# Altium PCB Graviton-EC2-Simplified.PcbDoc (part 8 of 9)
Units mm, origin at the board's own origin, x right, y up, seen from the top; angles counter-clockwise.
Board outline 200 x 200 mm, 10 copper layers (Top Layer, Internal Plane 1, Signal Layer 1, Internal Plane 2, Signal Layer 2, Signal Layer 3, Internal Plane 3, Signal Layer 4, Internal Plane 4, Bottom Layer), stack 1.674 mm thick; 774 components, 1540 nets, 6310 pads, 1698 vias.
Unrouted connection lines stored in the file: 74.
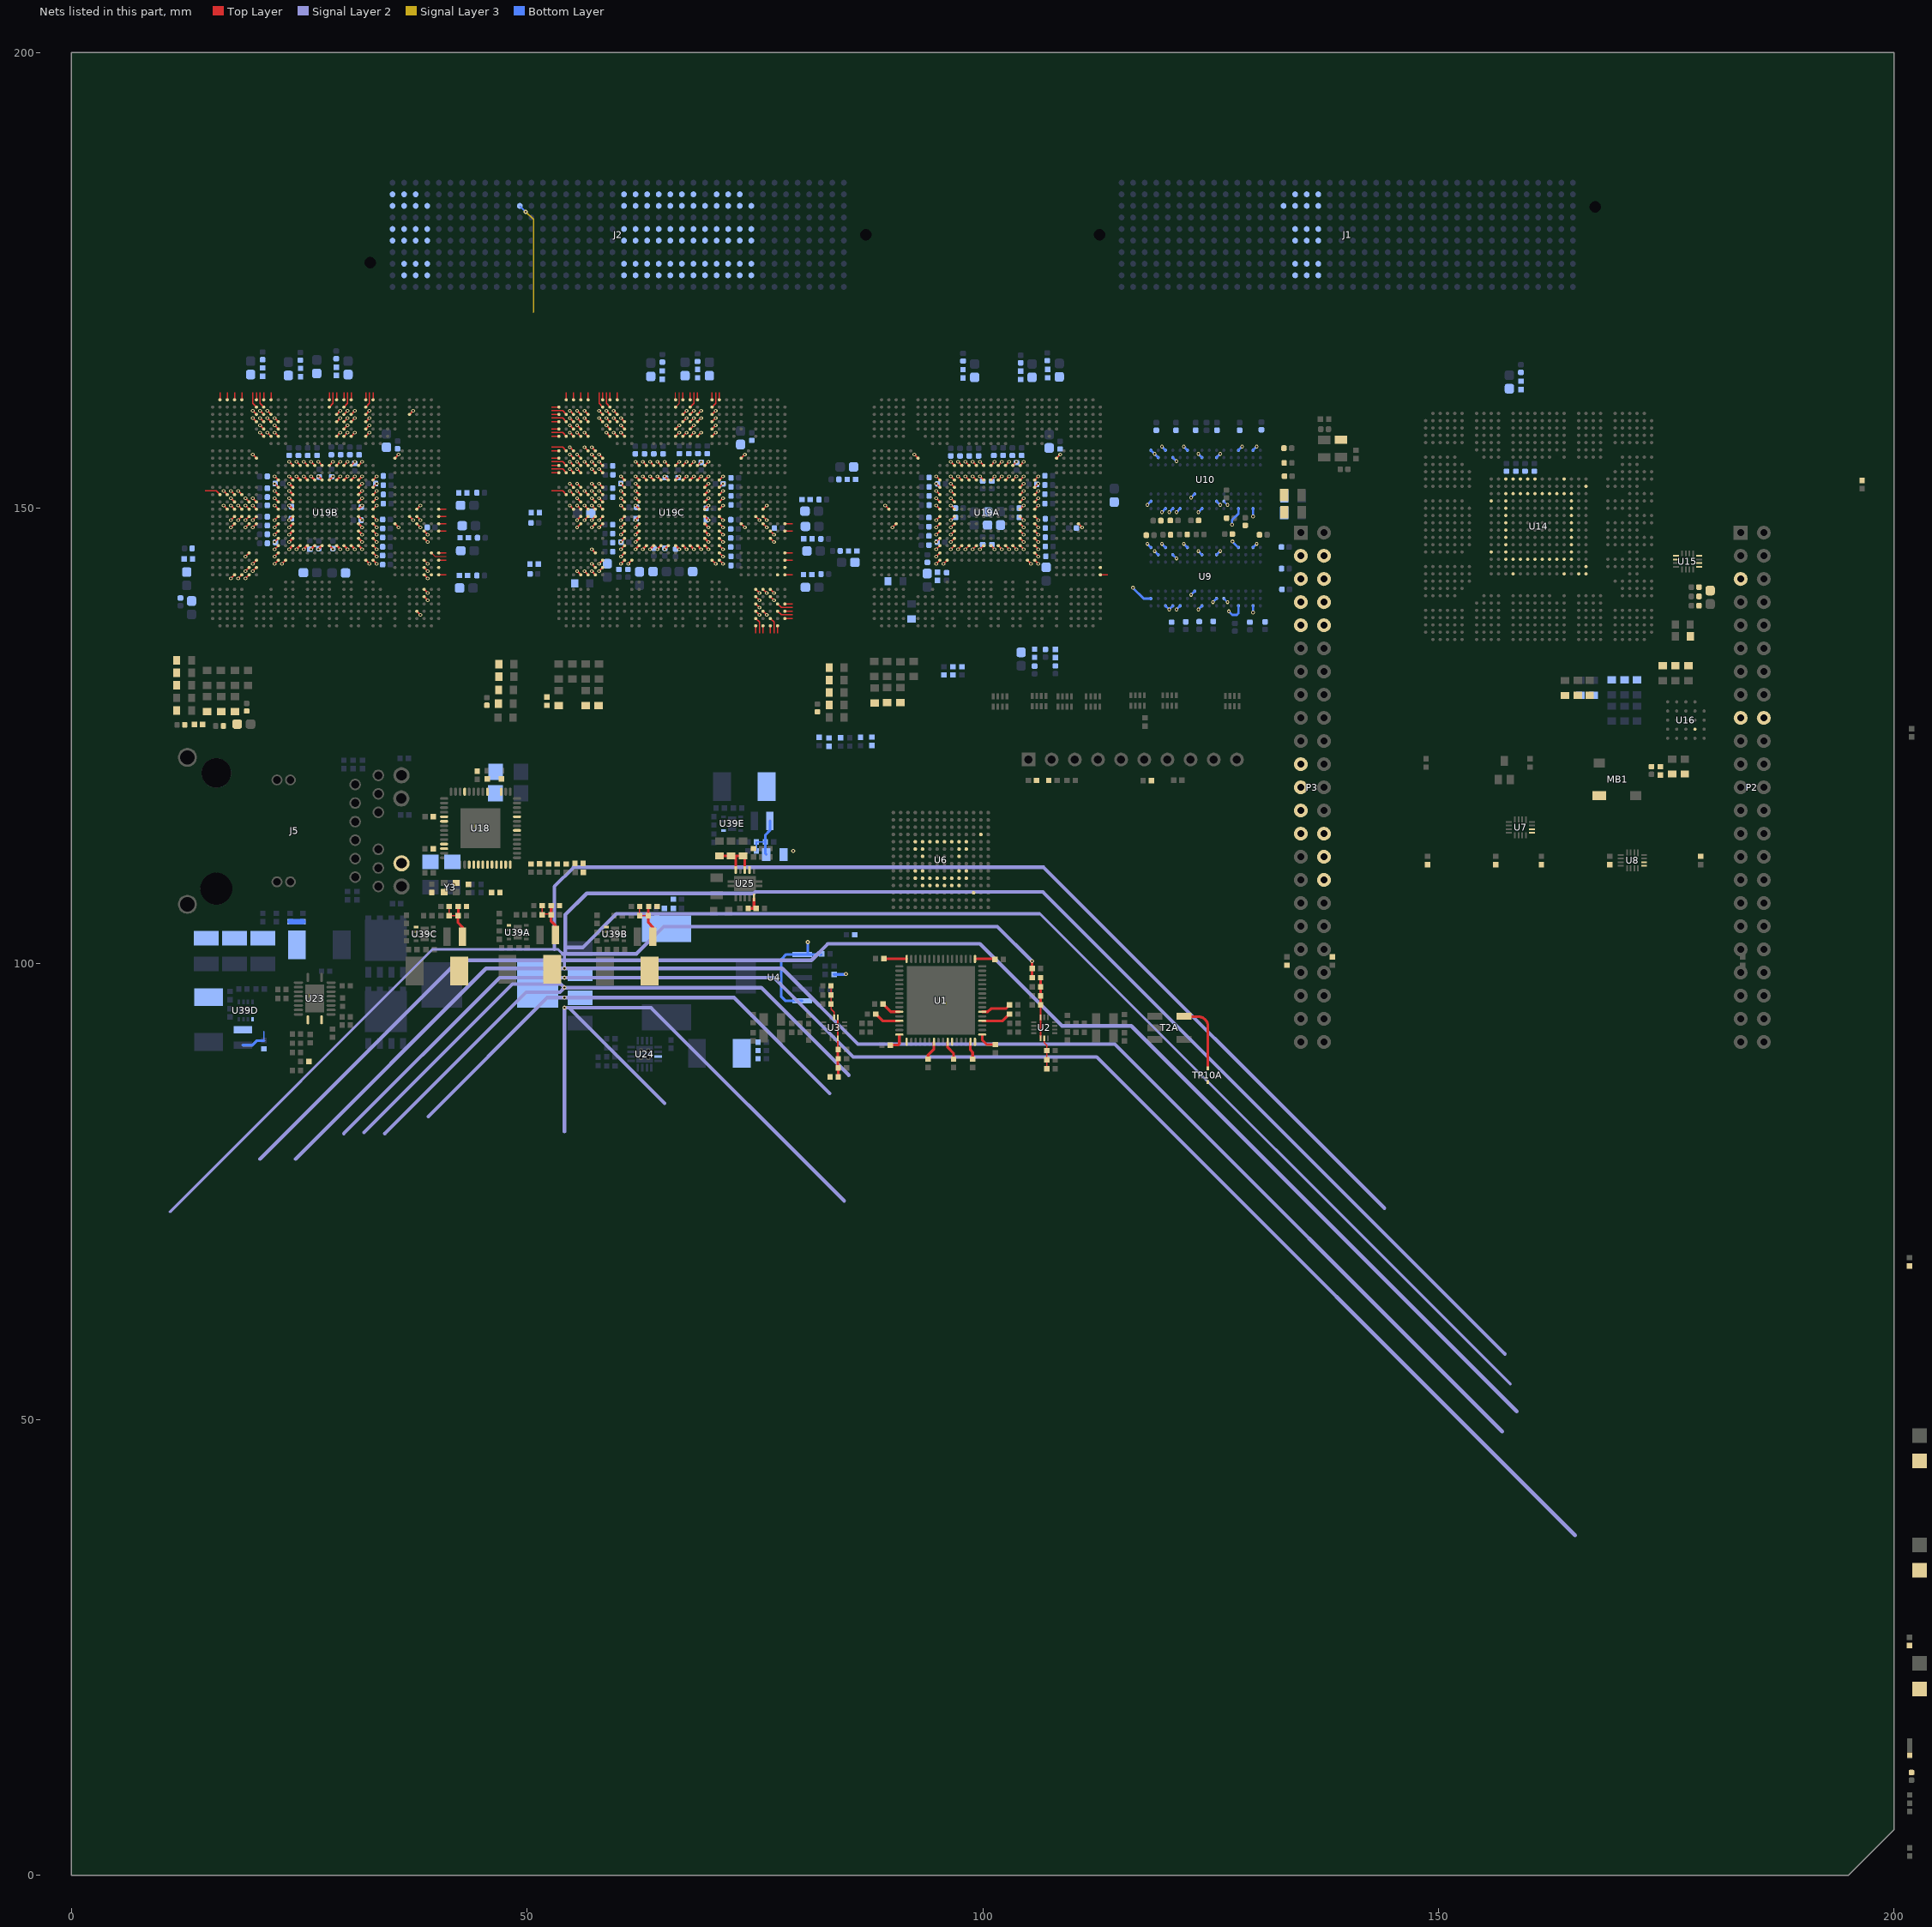
[diagram p16: the nets of this part, all layers, seen from the top]

## Via types
v1: diameter 0.406, hole 0.203, Top Layer to Bottom Layer, 1443 vias
v2: diameter 0.406, hole 0.203, Top Layer to Bottom Layer, tented top, 173 vias
v3: diameter 0.66, hole 0.305, Top Layer to Bottom Layer, tented top, 36 vias
v4: diameter 0.457, hole 0.203, Top Layer to Bottom Layer, 29 vias
v5: diameter 0.6, hole 0.3, Top Layer to Bottom Layer, 10 vias
v6: diameter 0.457, hole 0.203, Top Layer to Bottom Layer, tented bottom, 5 vias
v7: diameter 0.406, hole 0.203, Top Layer to Bottom Layer, tented both sides, 2 vias

## Nets (pads, with @x,y where several pads share a name; then routed paths per layer and width w, separated by ;. In a path a pad name is that pad's centre, name@x,y a point inside that pad or via, vN(x,y) a via of type N, cw(c..) or ccw(c..) an arc to the next point about the centre after c; other vN are vias at no path point) (continued)
P2A.DDRCC.S46: J2.118 U19B.C28 | length 12.9
  Top Layer w0.127: U19B.C28@37.1,160.3 v1(37.5,160.7)
  Signal Layer 3 w0.14: v4(49.84,182.54) 50.7,181.68 50.7,171.469
  Bottom Layer w0.12: J2.118@49.205,183.175 v4(49.84,182.54)
P2A.SDRCC.S2: J2.5 U19B.A18 | length 0.8
  Top Layer w0.12: U19B.A18@29.1,161.9 29.1,162.715
P2A.SDRCC.S3: J2.6 U19B.C18 | length 0.6
  Top Layer w0.127: U19B.C18@29.1,160.3 v1(29.5,160.7)
P2A.SDRCC.S4: J2.8 U19B.D18 | length 0.6
  Top Layer w0.127: U19B.D18@29.1,159.5 v1(29.5,159.9)
P2A.SDRCC.S5: J2.9 U19B.F18 | length 0.6
  Top Layer w0.127: U19B.F18@29.1,157.9 v1(29.5,158.3)
P2A.SDRCC.S6: J2.12 U19B.A19 | length 0.8
  Top Layer w0.12: U19B.A19@29.9,161.9 29.9,162.715
P2A.SDRCC.S7: J2.13 U19B.B19 | length 1.8
  Top Layer w0.12: U19B.B19@29.9,161.1 30.3,161.5 30.3,162.715
P2A.SDRCC.S8: J2.15 U19B.C19 | length 0.6
  Top Layer w0.127: U19B.C19@29.9,160.3 v1(30.3,160.7)
P2A.SDRCC.S9: J2.16 U19B.D19 | length 0.6
  Top Layer w0.127: U19B.D19@29.9,159.5 v1(30.3,159.9)
P2A.SDRCC.S10: J2.18 U19B.E19 | length 0.6
  Top Layer w0.127: U19B.E19@29.9,158.7 v1(30.3,159.1)
P2A.SDRCC.S11: J2.19 U19B.F19 | length 0.6
  Top Layer w0.127: U19B.F19@29.9,157.9 v1(30.3,158.3)
P2A.SDRCC.S12: J2.22 U19B.A20 | length 0.8
  Top Layer w0.12: U19B.A20@30.7,161.9 30.7,162.715
P2A.SDRCC.S13: J2.23 U19B.C20 | length 0.6
  Top Layer w0.127: U19B.C20@30.7,160.3 v1(31.1,160.7)
P2A.SDRCC.S14: J2.25 U19B.D20 | length 0.6
  Top Layer w0.127: U19B.D20@30.7,159.5 v1(31.1,159.9)
P2A.SDRCC.S15: J2.26 U19B.F20 | length 0.6
  Top Layer w0.127: U19B.F20@30.7,157.9 v1(31.1,158.3)
P2A.SDRCC.S16: J2.28 U19B.A22 | length 0.8
  Top Layer w0.12: U19B.A22@32.3,161.9 32.3,162.715
P2A.SDRCC.S17: J2.29 U19B.B22 | length 1.8
  Top Layer w0.12: U19B.B22@32.3,161.1 32.7,161.5 32.7,162.715
P2A.SDRCC.S18: J2.32 U19B.C22 | length 0.6
  Top Layer w0.127: U19B.C22@32.3,160.3 v1(32.7,160.7)
P2A.SDRCC.S19: J2.33 U19B.D22 | length 0.6
  Top Layer w0.127: U19B.D22@32.3,159.5 v1(32.7,159.9)
P2A.SDRCC.S20: J2.35 U19B.E22 | length 0.6
  Top Layer w0.127: U19B.E22@32.3,158.7 v1(32.7,159.1)
P2A.SDRCC.S21: J2.36 U19B.F22 | length 0.6
  Top Layer w0.127: U19B.F22@32.3,157.9 v1(32.7,158.3)
P2A.SDRCC.S22: J2.38 U19B.A23 | length 0.8
  Top Layer w0.12: U19B.A23@33.1,161.9 33.1,162.715
P2B-DDRCCCLK_N: J2.203 U19C.P7 | length 0.6
  Top Layer w0.076: v1(57.9,151.9) U19C.P7@58.3,151.5
P2B-DDRCCCLK_P: J2.202 U19C.P6 | length 0.6
  Top Layer w0.076: v1(57.1,151.9) U19C.P6@57.5,151.5
P2B-SDRCCCLK_N: J2.283 U19C.B17 | length 1.8
  Top Layer w0.076: U19C.B17@66.3,161.1 66.7,161.5 66.7,162.715
P2B-SDRCCCLK_P: J2.282 U19C.A17 | length 0.8
  Top Layer w0.076: U19C.A17@66.3,161.9 66.3,162.715
P2B.DDRCC.S2: J2.205 U19C.C4 | length 0.6
  Top Layer w0.127: v1(55.5,160.7) U19C.C4@55.9,160.3
P2B.DDRCC.S3: J2.206 U19C.C3 | length 0.6
  Top Layer w0.127: v1(54.7,160.7) U19C.C3@55.1,160.3
P2B.DDRCC.S4: J2.208 U19C.D4 | length 0.6
  Top Layer w0.127: v1(55.5,159.9) U19C.D4@55.9,159.5
P2B.DDRCC.S5: J2.209 U19C.E4 | length 0.6
  Top Layer w0.127: v1(55.5,159.1) U19C.E4@55.9,158.7
P2B.DDRCC.S6: J2.212 U19C.F4 | length 0.6
  Top Layer w0.127: v1(55.5,158.3) U19C.F4@55.9,157.9
P2B.DDRCC.S7: J2.213 U19C.F5 | length 0.6
  Top Layer w0.127: v1(56.3,158.3) U19C.F5@56.7,157.9
P2B.DDRCC.S8: J2.215 U19C.B1 | length 0.8
  Top Layer w0.12: 52.685,161.1 U19C.B1@53.5,161.1
P2B.DDRCC.S9: J2.216 U19C.C2 | length 1.8
  Top Layer w0.12: 52.685,160.7 53.9,160.7 U19C.C2@54.3,160.3
P2B.DDRCC.S10: J2.218 U19C.D3 | length 0.6
  Top Layer w0.127: v1(54.7,159.9) U19C.D3@55.1,159.5
P2B.DDRCC.S11: J2.219 U19C.D2 | length 1.8
  Top Layer w0.12: 52.685,159.9 53.9,159.9 U19C.D2@54.3,159.5
P2B.DDRCC.S12: J2.222 U19C.F3 | length 0.6
  Top Layer w0.127: v1(54.7,158.3) U19C.F3@55.1,157.9
P2B.DDRCC.S13: J2.223 U19C.E3 | length 0.6
  Top Layer w0.127: v1(54.7,159.1) U19C.E3@55.1,158.7
P2B.DDRCC.S14: J2.225 U19C.C1 | length 0.8
  Top Layer w0.12: 52.685,160.3 U19C.C1@53.5,160.3
P2B.DDRCC.S15: J2.226 U19C.D1 | length 0.8
  Top Layer w0.12: 52.685,159.5 U19C.D1@53.5,159.5
P2B.DDRCC.S16: J2.228 U19C.F2 | length 1.8
  Top Layer w0.12: 52.685,158.3 53.9,158.3 U19C.F2@54.3,157.9
P2B.DDRCC.S17: J2.229 U19C.E1 | length 0.8
  Top Layer w0.12: 52.685,158.7 U19C.E1@53.5,158.7
P2B.DDRCC.S18: J2.232 U19C.F1 | length 0.8
  Top Layer w0.12: 52.685,157.9 U19C.F1@53.5,157.9
P2B.DDRCC.S19: J2.233 U19C.H1 | length 0.8
  Top Layer w0.12: 52.685,156.3 U19C.H1@53.5,156.3
P2B.DDRCC.S20: J2.235 U19C.H2 | length 1.8
  Top Layer w0.12: 52.685,156.7 53.9,156.7 U19C.H2@54.3,156.3
P2B.DDRCC.S21: J2.236 U19C.H3 | length 0.6
  Top Layer w0.127: v1(54.7,156.7) U19C.H3@55.1,156.3
P2B.DDRCC.S22: J2.238 U19C.J3 | length 0.6
  Top Layer w0.127: v1(54.7,155.9) U19C.J3@55.1,155.5
P2B.DDRCC.S23: J2.239 U19C.K3 | length 0.6
  Top Layer w0.127: v1(54.7,155.1) U19C.K3@55.1,154.7
P2B.DDRCC.S24: J2.242 U19C.K2 | length 1.8
  Top Layer w0.12: 52.685,155.1 53.9,155.1 U19C.K2@54.3,154.7
P2B.DDRCC.S25: J2.243 U19C.J1 | length 0.8
  Top Layer w0.12: 52.685,155.5 U19C.J1@53.5,155.5
P2B.DDRCC.S26: J2.245 U19C.K1 | length 0.8
  Top Layer w0.12: 52.685,154.7 U19C.K1@53.5,154.7
P2B.DDRCC.S27: J2.246 U19C.L1 | length 0.8
  Top Layer w0.12: 52.685,153.9 U19C.L1@53.5,153.9
P2B.DDRCC.S28: J2.248 U19C.L2 | length 1.8
  Top Layer w0.12: 52.685,154.3 53.9,154.3 U19C.L2@54.3,153.9
P2B.DDRCC.S29: J2.249 U19C.L3 | length 0.6
  Top Layer w0.127: v1(54.7,154.3) U19C.L3@55.1,153.9
P2B.DDRCC.S30: J2.252 U19C.J4 | length 0.6
  Top Layer w0.127: v1(55.5,155.9) U19C.J4@55.9,155.5
P2B.DDRCC.S31: J2.253 U19C.K4 | length 0.6
  Top Layer w0.127: v1(55.5,155.1) U19C.K4@55.9,154.7
P2B.DDRCC.S32: J2.255 U19C.H6 | length 0.6
  Top Layer w0.127: v1(57.1,156.7) U19C.H6@57.5,156.3
P2B.DDRCC.S33: J2.256 U19C.H5 | length 0.6
  Top Layer w0.127: v1(56.3,156.7) U19C.H5@56.7,156.3
P2B.DDRCC.S34: J2.258 U19C.J6 | length 0.6
  Top Layer w0.127: v1(57.1,155.9) U19C.J6@57.5,155.5
P2B.DDRCC.S35: J2.259 U19C.K6 | length 0.6
  Top Layer w0.127: v1(57.1,155.1) U19C.K6@57.5,154.7
P2B.DDRCC.S36: J2.262 U19C.K7 | length 0.6
  Top Layer w0.127: v1(57.9,155.1) U19C.K7@58.3,154.7
P2B.DDRCC.S37: J2.263 U19C.K5 | length 0.6
  Top Layer w0.127: v1(56.3,155.1) U19C.K5@56.7,154.7
P2B.DDRCC.S38: J2.265 U19C.L4 | length 0.6
  Top Layer w0.127: v1(55.5,154.3) U19C.L4@55.9,153.9
P2B.DDRCC.S39: J2.266 U19C.N3 | length 0.6
  Top Layer w0.127: v1(54.7,152.7) U19C.N3@55.1,152.3
P2B.DDRCC.S40: J2.268 U19C.N4 | length 0.6
  Top Layer w0.127: v1(55.5,152.7) U19C.N4@55.9,152.3
P2B.DDRCC.S41: J2.269 U19C.L7 | length 0.6
  Top Layer w0.127: v1(57.9,154.3) U19C.L7@58.3,153.9
P2B.DDRCC.S42: J2.272 U19C.L6 | length 0.6
  Top Layer w0.127: v1(57.1,154.3) U19C.L6@57.5,153.9
P2B.DDRCC.S43: J2.273 U19C.N6 | length 0.6
  Top Layer w0.127: v1(57.1,152.7) U19C.N6@57.5,152.3
P2B.DDRCC.S44: J2.275 U19C.N7 | length 0.6
  Top Layer w0.127: v1(57.9,152.7) U19C.N7@58.3,152.3
P2B.DDRCC.S45: J2.276 U19C.C5 | length 0.6
  Top Layer w0.127: v1(56.3,160.7) U19C.C5@56.7,160.3
P2B.DDRCC.S46: J2.278 U19C.D5 | length 0.6
  Top Layer w0.127: v1(56.3,159.9) U19C.D5@56.7,159.5
P2B.SDRCC.S2: J2.285 U19C.A2 | length 0.8
  Top Layer w0.12: U19C.A2@54.3,161.9 54.3,162.715
P2B.SDRCC.S3: J2.286 U19C.A3 | length 0.8
  Top Layer w0.12: U19C.A3@55.1,161.9 55.1,162.715
P2B.SDRCC.S4: J2.288 U19C.A4 | length 0.8
  Top Layer w0.12: U19C.A4@55.9,161.9 55.9,162.715
P2B.SDRCC.S5: J2.289 U19C.A5 | length 0.8
  Top Layer w0.12: U19C.A5@56.7,161.9 56.7,162.715
P2B.SDRCC.S6: J2.292 U19C.D7 | length 0.6
  Top Layer w0.127: v1(57.9,159.9) U19C.D7@58.3,159.5
P2B.SDRCC.S7: J2.293 U19C.C7 | length 0.6
  Top Layer w0.127: v1(57.9,160.7) U19C.C7@58.3,160.3
P2B.SDRCC.S8: J2.295 U19C.B7 | length 1.8
  Top Layer w0.12: 57.9,162.715 57.9,161.5 U19C.B7@58.3,161.1
P2B.SDRCC.S9: J2.296 U19C.A7 | length 0.8
  Top Layer w0.12: U19C.A7@58.3,161.9 58.3,162.715
P2B.SDRCC.S10: J2.298 U19C.F8 | length 0.6
  Top Layer w0.127: v1(58.7,158.3) U19C.F8@59.1,157.9
P2B.SDRCC.S11: J2.299 U19C.E8 | length 0.6
  Top Layer w0.127: v1(58.7,159.1) U19C.E8@59.1,158.7
P2B.SDRCC.S12: J2.302 U19C.D8 | length 0.6
  Top Layer w0.127: v1(58.7,159.9) U19C.D8@59.1,159.5
P2B.SDRCC.S13: J2.303 U19C.C8 | length 0.6
  Top Layer w0.127: v1(58.7,160.7) U19C.C8@59.1,160.3
P2B.SDRCC.S14: J2.305 U19C.B8 | length 1.8
  Top Layer w0.12: 58.7,162.715 58.7,161.5 U19C.B8@59.1,161.1
P2B.SDRCC.S15: J2.306 U19C.A8 | length 0.8
  Top Layer w0.12: U19C.A8@59.1,161.9 59.1,162.715
P2B.SDRCC.S16: J2.308 U19C.F9 | length 0.6
  Top Layer w0.127: v1(59.5,158.3) U19C.F9@59.9,157.9
P2B.SDRCC.S17: J2.309 U19C.D9 | length 0.6
  Top Layer w0.127: v1(59.5,159.9) U19C.D9@59.9,159.5
P2B.SDRCC.S18: J2.312 U19C.C9 | length 0.6
  Top Layer w0.127: v1(59.5,160.7) U19C.C9@59.9,160.3
P2B.SDRCC.S19: J2.313 U19C.A9 | length 0.8
  Top Layer w0.12: U19C.A9@59.9,161.9 59.9,162.715
P2B.SDRCC.S20: J2.315 U19C.F10 | length 0.6
  Top Layer w0.127: v1(60.3,158.3) U19C.F10@60.7,157.9
P2B.SDRCC.S21: J2.316 U19C.E10 | length 0.6
  Top Layer w0.127: v1(60.3,159.1) U19C.E10@60.7,158.7
P2B.SDRCC.S22: J2.318 U19C.D10 | length 0.6
  Top Layer w0.127: v1(60.3,159.9) U19C.D10@60.7,159.5
PGOOD-5V: R94.1 U23.11 U24.15 U39A.5 U39B.5 U39C.5 U39D.5 U39E.5
PP1V1: C171.2 C278A.2 C278B.2 C278C.2 C341.2 C342.2 C343.2 L18.1 L28A.1 L28B.1 L28C.1 L40.2 R102.1
PP1V2: C55A.2 C55B.2 C61A.2 C61B.2 C89.2 C93.2 C97.2 C107.2 C246C.2 L13.1 L14.1 L16.1 L23C.2 R112.2
PP1V2-DACCLK: C94.2 C95.2 C96.2 L14.2 U6.C12
PP1V2-DACDVDD: C104.2 C105.2 C106.2 C108.2 C109.2 L16.2 U6.B4 U6.D5 U6.D6 U6.E5 U6.E6 U6.E7 U6.F5 U6.G5 U6.H5 U6.J5 U6.K5 U6.K6 U6.K7 U6.L5 U6.L6
PP1V2-DACVDD: C90.2 C91.2 C92.2 L13.2 U6.D9 U6.E9 U6.E10 U6.F10 U6.G10 U6.H10 U6.J10 U6.K9 U6.K10 U6.L9
PP1V5: C115.2 C116.2 C117.2 C118.2 C119.2 C120.2 C121.2 C122.2 C123.2 C124.2 C125.2 C126.2 C129.2 C130.2 C131.2 C132.2 C135.2 C138.2 C139.2 C140.2 C141.2 C142.2 C143.2 C144.2 C145.2 C146.2 C147.2 C149.2 C151.2 C152.2 C153.2 C155.2 C160.2 C226A.2 C226B.2 C226C.2 C232A.2 C232B.2 C232C.2 C238A.2 C238B.2 C238C.2 C246A.2 C254A.2 C254B.2 C254C.2 C266A.2 C266B.2 C266C.2 C274A.2 C274B.2 C274C.2 C362.2 C367.2 C368.2 C369.2 L17.2 L20A.2 L20B.2 L20C.2 L21A.2 L21B.2 L21C.2 L22A.2 L22B.2 L22C.2 L23A.2 L24A.2 L24B.2 L24C.2 L26A.2 L26B.2 L26C.2 L27A.2 L27B.2 L27C.2 R31.1 R67A.2 R67B.2 R67C.2 R68A.2 R68B.2 R68C.2 R69A.2 R69B.2 R69C.2 R70A.2 R70B.2 R70C.2 R71A.2 R71B.2 R71C.2 R109.2 R120.2 U9.A1 U9.A8 U9.B2 U9.C1 U9.C9 U9.D2 U9.D9 U9.E9 U9.F1 U9.G7 U9.H2 U9.H9 U9.K2 U9.K8 U9.N1 U9.N9 U9.R1 U9.R9 U10.A1 U10.A8 U10.B2 U10.C1 U10.C9 U10.D2 U10.D9 U10.E9 U10.F1 U10.G7 U10.H2 U10.H9 U10.K2 U10.K8 U10.N1 U10.N9 U10.R1 U10.R9 U15.5 U15.6 U15.14 U15.16 U22.5 U22.6 U22.14 U25.2 | length 10.6
  Bottom Layer w0.254: v2(116.484,141.275) 117.665,140.094 U9.A8@118.459,140.094 ; U10.A1@118.459,156.362 v2(118.859,155.962) ; U9.C9@120.059,139.294 v2(120.459,138.894) ; v2(125.266,139.7) U9.K8@125.66,140.094 ; v2(127,138.684) 127.381,138.303 127.889,138.303 ; v2(127.356,148.209) 127.356,148.682 128.067,149.393 U10.N9@128.067,149.962 ; v2(127.4,146.355) U9.N1@128.06,145.694 ; 128.06,138.474 128.06,138.719 128.067,138.725 128.067,139.062 128.06,139.068 U9.N9@128.06,139.294 ; v2(129.667,138.557) U9.R9@129.667,139.287 ; v2(129.667,149.098) U10.R9@129.667,149.962
  other v2: 121.26,138.894 123.66,138.894 122.86,140.494 121.26,144.494 118.859,145.294 123.66,145.294 126.06,145.294 118.059,146.094 119.659,146.094 122.06,146.094 130.061,146.094 119.659,149.562 120.459,149.562 121.26,149.562 123.66,149.562 118.059,150.362 126.06,150.362 122.86,151.162 121.26,155.162 123.66,155.962 126.06,155.962 119.659,156.762 122.06,156.762 128.46,156.762 130.061,156.762
PP1V8: C13.2 C14.2 C15.2 C112.2 C113.2 C246B.2 L23B.2 R111.2 U1.11 U1.49 U1.64 U7.13 U8.13 | length 6.8
  Top Layer w0.3: C14.2@89.055,95.6 89.905,94.75 U1.11@90.85,94.75 ; C15.2@89.155,100.55 U1.64@91.65,100.55 ; U1.49@99.15,100.55 C13.2@101.345,100.55
PP1V8-ADC: C27.2 C28.2 C29.2 C30.2 C31.2 C186.2 C187.2 C188.2 C189.2 L3.1 U1.13 U1.16 U1.23 U1.26 U1.31 U1.33 U1.36 U1.38 | length 21.4
  Top Layer w0.3: C31.2@88.255,94.5 89.005,93.75 U1.13@90.85,93.75 ; C188.2@89.855,91.1 90.7,91.1 90.85,91.25 U1.16@90.85,92.25 ; C186.2@94,89.555 94,90 94.65,90.65 U1.23@94.65,91.45 ; U1.26@96.15,91.45 96.15,90.85 96.8,90.2 C187.2@96.8,89.555 ; U1.31@98.65,91.45 98.65,90.55 98.9,90.3 C189.2@98.9,89.555 ; U1.33@99.95,92.25 99.95,91.65 100.445,91.155 C29.2@101.4,91.155 ; U1.36@99.95,93.75 102.195,93.75 C28.2@102.945,94.5 ; U1.38@99.95,94.75 100.55,94.75 100.9,95.1 102.545,95.1 C30.2@102.945,95.5
  Bottom Layer w0.3: L3.1@83.7,98.845 v4@84.945,98.845
  other v4: 85,98.9
PP1V8-ENET: C211.2 C212.2 C213.2 C214.2 U18.3 U18.19 U18.26 U18.35 U18.38 U18.39
PP1V-ENET: C220.2 C221.2 C222.2 C223.2 U18.6 U18.40 U18.42
PP2V5: C280A.2 C280B.2 C280C.2 C281A.2 C281B.2 C281C.2 C282A.2 C282B.2 C282C.2 C283A.2 C283B.2 C283C.2 R121.2 U14.AC11 U14.AC22 U14.K13 U14.K20 U14.N10 U14.N23 U14.Y10 U14.Y23 U19A.AC11 U19A.AC22 U19A.K13 U19A.K20 U19A.N10 U19A.N23 U19A.Y10 U19A.Y23 U19B.AC11 U19B.AC22 U19B.K13 U19B.K20 U19B.N10 U19B.N23 U19B.Y10 U19B.Y23 U19C.AC11 U19C.AC22 U19C.K13 U19C.K20 U19C.N10 U19C.N23 U19C.Y10 U19C.Y23 | length 13.6
  Top Layer w0.127: v1(22.3,146.3) U19B.Y10@22.7,146.7 ; v1(22.3,152.7) U19B.N10@22.7,152.3 ; v1(23.1,143.9) U19B.AC11@23.5,144.3 ; v1(24.7,155.1) U19B.K13@25.1,154.7 ; U19B.K20@30.7,154.7 v1(31.1,155.1) ; U19B.AC22@32.3,144.3 v1(32.7,143.9) ; U19B.Y23@33.1,146.7 v1(33.5,146.3) ; U19B.N23@33.1,152.3 v1(33.5,152.7) ; v1(60.3,146.3) U19C.Y10@60.7,146.7 ; v1(60.3,152.7) U19C.N10@60.7,152.3 ; v1(61.1,143.9) U19C.AC11@61.5,144.3 ; v1(62.7,155.1) U19C.K13@63.1,154.7 ; U19C.K20@68.7,154.7 v1(69.1,155.1) ; U19C.AC22@70.3,144.3 v1(70.7,143.9) ; U19C.Y23@71.1,146.7 v1(71.5,146.3) ; U19C.N23@71.1,152.3 v1(71.5,152.7) ; v1(94.9,146.3) U19A.Y10@95.3,146.7 ; v1(94.9,152.7) U19A.N10@95.3,152.3 ; v1(95.7,143.9) U19A.AC11@96.1,144.3 ; v1(97.3,155.1) U19A.K13@97.7,154.7 ; U19A.K20@103.3,154.7 v1(103.7,155.1) ; U19A.AC22@104.9,144.3 v1(105.3,143.9) ; U19A.Y23@105.7,146.7 v1(106.1,146.3) ; U19A.N23@105.7,152.3 v1(106.1,152.7)
PP2V7N: 
PP3V3: C6.2 C32.2 C48.2 C88.2 C103.2 C110.2 C111.2 C156.2 C209.2 C258A.2 C258B.2 C258C.2 C366.1 C438A.2 C438B.2 C442A.2 C442B.2 FB1.2 L1.1 L15.1 L19.1 L25A.2 L25B.2 L25C.2 L45.1 L58A.1 L59A.1 MB1.1 P3.3 P3.4 R23.1 R25.2 R26.1 R27.1 R30.2 R87.2 R100.2 R108.2 R164.2 R180A.2 R180B.2 R183A.2 R183B.2 U4.1 U4.5 U7.14 U8.14 U25.10 | length 14.5
  Top Layer w0.3: R108.2@74.255,106.1 C366.1@75.145,106.1 ; C366.1@74.9,106.1 U25.10@74.9,107.2
  Bottom Layer w0.3: U4.5@80.2,95.96 78.34,95.96 77.9,96.4 77.9,100.5 78.44,101.04 U4.1@80.2,101.04 U4.1@80.8,101.04 ; v4(80.8,102.4) U4.1@80.8,101.04 ; C32.2@82.285,101.04 U4.1@80.8,101.04
  other v4: 79.2,112.4
PP3V3-ADC: C1.2 C2.2 C3.2 C4.2 C5.2 L1.2 U1.17 U1.32
PP3V3-DACAVDD: C98.2 C99.2 C100.2 C101.2 C102.2 L15.2 U6.D10 U6.E11 U6.F11 U6.G11 U6.H11 U6.J11 U6.K11 U6.L10
PP3V3-DIST: C157.2 C158.2 C159.2 FB1.1 U13.8 U13.13
PP3V3-ENET: C204.2 C205.2 C206.2 C207.2 C208.2 J5.18 L19.2 R66.2 U18.11 U18.20 U18.25 U18.36 U18.49 U18.52
PP3V3-LO-DIST: 
PP3V3-RXLOA: C439A.2 C440A.2 C441A.2 L59A.2
PP3V3-RXLOB: 
PP3V3-RXMIXA: C435A.2 C436A.2 C437A.2 L58A.2
PP3V3-RXMIXB: 
PP3V3-VCXO: 
PP5V: C12.2 C331.2 C332.2 C336.2 C337.2 C338.2 C382A.2 C382B.2 C382C.2 C382D.2 F3.1 F8A.1 F8B.1 F8C.1 F8D.1 F8E.1 FB11B.2 FB12A.2 FB12B.2 FB12C.2 FB12D.2 L2.1 L39.2 L62.1 P3.5 P3.6 R97.1 | length 1194.7
  Top Layer w0.3: v4(105.4,100.3) 105.4,98.545 L2.1@105.445,98.5
  Signal Layer 2 w0.3: 10.8,72.8 39.6,101.6 53,101.6 53.4,101.6 53.9,101.1 54.1,100.9 54.1,100.4 v4(54.1,99.5) ; 106.2,105.5 106.3,105.5 157.9,53.9
  Signal Layer 2 w0.4: 20.7,78.6 42.5,100.4 54.1,100.4 81.2,100.4 83,102.2 99.7,102.2 108.7,93.2 116.3,93.2 158.6,50.9 ; 24.6,78.6 45.5,99.5 v4(54.1,99.5) 78,99.5 86.3,91.2 114.5,91.2 157,48.7 ; 29.9,81.4 47,98.5 v4(54.1,98.5) 77.1,98.5 85.8,89.8 112.5,89.8 165,37.3 ; 32.1,81.5 48.4,97.8 53.7,97.8 v4(54.1,97.4) ; 34.4,81.4 49.9,96.9 53.6,96.9 v4(54.1,97.4) ; 39.155,83.255 52.2,96.3 v4(54.1,96.3) 72.7,96.3 83.2,85.8 ; 53,101.6 53,108.5 55.1,110.6 106.689,110.6 144.089,73.2 ; 53.9,101.1 54.2,101.1 ; 54.1,81.6 v4(54.1,95.2) ; 65.1,84.7 54.6,95.2 v4(54.1,95.2) ; 84.8,74 63.6,95.2 v4(54.1,95.2) ; 85.3,87.8 75.7,97.4 v4(54.1,97.4) ; v4(105.4,100.3) 101.6,104.1 65,104.1 62,101.1 54.2,101.1 ; 106.2,105.5 59.8,105.5 56.1,101.8 54.2,101.8 ; 157.3,57.2 106.6,107.9 75.036,107.9 74.88,107.744 56.544,107.744 54.2,105.4 54.2,101.8 ; 54.2,101.1 54.2,101.8
PP5V-ADCBUFFER-A: C7.2 C8.2 C10.2 L2.2 U2.1 U2.10 | length 6.6
  Top Layer w0.152: U2.1@106.35,91.85 U2.10@106.35,94.15 C7.2@106.35,95.495
  Top Layer w0.3: C7.2@106.355,95.5 C8.2@106.355,96.5 C10.2@106.355,97.5 L2.2@106.355,98.5
PP5V-ADCBUFFER-B: C9.2 C11.2 C184.2 L62.2 U3.1 U3.10 | length 6.5
  Top Layer w0.152: C184.2@84.1,90.645 U3.10@84.1,91.85 U3.1@84.1,94.15
  Top Layer w0.3: C11.2@84.1,88.645 C184.2@84.1,90.645 ; L62.2@84.145,87.61 C11.2@84.145,88.6
PP5V-LOA: 
PP5V-LOB: 
PP5V-MODA: 
PP5V-MODB: 
PP5V-OCXO: 
PP8V: 
PP48V: J1.222 J1.223 J1.225 J1.226 J1.228 J1.229 J1.232 J1.233 J1.235 J1.236 J1.238 J1.239 J1.242 J1.243 J1.245 J1.246 J1.248 J1.249
PP-OUTA: C193A.2 C365.2 L63A.2 R112.1 R115.2 | length 5.4
  Top Layer w0.152: R115.2@51.619,105.466 C193A.2@52.609,105.466 ; R115.2@51.655,105.502 C365.2@51.655,106.4
  Top Layer w0.3: C193A.2@52.609,105.466 52.609,104.721 53.114,104.216 L63A.2@53.114,103.166 ; C193A.2@52.645,105.4 R112.1@52.645,106.4
PP-OUTB: C193B.2 C377.1 L63B.2 R120.1 R122.1 | length 5.4
  Top Layer w0.152: C377.1@62.355,106.3 R122.1@62.355,105.3 C193B.2@63.3,105.3
  Top Layer w0.3: R120.1@63.309,106.264 C193B.2@63.309,105.291 63.309,104.546 63.814,104.041 L63B.2@63.814,102.991
PP-OUTC: C193C.2 C364.2 L63C.2 R111.1 R114.2 | length 5.5
  Top Layer w0.152: C364.2@41.455,106.3 R114.2@41.455,105.3 C193C.2@42.4,105.3
  Top Layer w0.3: C193C.2@42.409,105.291 42.409,104.546 42.914,104.041 L63C.2@42.914,102.991 ; C193C.2@42.445,105.3 R111.1@42.445,106.3
PP-OUTD: C193D.2 C378.2 L63D.2 R121.1 R123.2 | length 3.5
  Bottom Layer w0.152: 21.116,91.591 21.116,92.581
  Bottom Layer w0.3: 18.816,91.086 19.866,91.086 20.371,91.591 21.116,91.591
PP-OUTE: C193E.2 C328.2 L63E.2 R87.1 R88.2 | length 5.9
  Bottom Layer w0.152: C328.2@75.155,112.4 R88.2@75.155,113.4 C193E.2@76.145,113.4
  Bottom Layer w0.3: R87.1@76.245,112 76.145,112.1 C193E.2@76.145,113.4 76.145,114.145 76.65,114.65 L63E.2@76.65,115.7
PPCLK0: 
PPCLK1: 
PPCLK2: 
PPCLK3: 
PPCLK4: 
PPCLK5: 
PPCLK6: 
PPCLK7: 
PPCLK8: 
PWR_BUT: P3.9
RAMCLK_N: U19A.AE32 | length 0.8
  Top Layer w0.12: U19A.AE32@112.9,142.7 113.715,142.7
RAMCLK_P: U19A.AD32
RAMCLKB_N: U19B.AE32 | length 0.8
  Top Layer w0.12: U19B.AE32@40.3,142.7 41.115,142.7
RAMCLKB_P: U19B.AD32
RAMCLKC_N: U19C.AE32 | length 0.8
  Top Layer w0.12: U19C.AE32@78.3,142.7 79.115,142.7
RAMCLKC_P: U19C.AD32
RC-AA: 
RC-AB: 
RC-BA: 
RC-BB: 
RC-CA: 
RC-CB: 
RC-DA: 
RC-DB: 
RC-EA: 
RC-EB: 
RC-FA: 
RC-FB: 
RC-GA: 
RC-GB: 
RC-HA: 
RC-HB: 
RC-JA: 
RC-JB: 
RC-KA_N: 
RC-KA_P: 
RC-KB_N: 
RC-KB_P: 
RC-LA_N: 
RC-LA_P: 
RC-LB_N: 
RC-LB_P: 
RC-MA_P: 
RC-MB_P: 
RC-NA: 
RC-NA_P: 
RC-NB: 
RC-NB_P: 
RC-PA: 
RC-PB: 
RC-QA: TP10A.C
RC-QB: 
RC-RA: T2A.4 TP10A.A | length 7.9
  Top Layer w0.3: T2A.4@122.09,94.27 ccw(c122.16,94.27) 122.16,94.2 123.7,94.2 cw(c123.7,93.2) 124.7,93.2 TP10A.A@124.7,88.55
RC-RB: 
REGCAP1: C210.1 U18.37
REGCAP2: C210.2 U18.41
RFRX-INA: 
RFRX-INB: 
RFTXOUTA: 
RFTXOUTB: 
RX2-BANK3-DDRCTRL.CASN: U19B.W30 | length 0.6
  Top Layer w0.127: U19B.W30@38.7,147.5 v1(39.1,147.1)
RX2-BANK3-DDRCTRL.CKE: U19B.U28 | length 0.6
  Top Layer w0.127: U19B.U28@37.1,149.1 v1(37.5,148.7)
RX2-BANK3-DDRCTRL.CLK_N: U19B.AC32 | length 0.8
  Top Layer w0.12: U19B.AC32@40.3,144.3 41.115,144.3
RX2-BANK3-DDRCTRL.CLK_P: U19B.AB32 | length 0.8
  Top Layer w0.12: U19B.AB32@40.3,145.1 41.115,145.1
RX2-BANK3-DDRCTRL.CSN: U19B.U29 | length 0.6
  Top Layer w0.127: U19B.U29@37.9,149.1 v1(38.3,148.7)